# Altium PCB Spectre.PcbDoc (part 2 of 2)
Units mil, origin at the board's own origin, x right, y up, seen from the top; angles counter-clockwise.
Board outline 3998.36 x 2500 mil, 4 copper layers (Top Layer, GND, PWR, Bottom Layer), stack 64.6 mil thick; 160 components, 119 nets, 509 pads, 276 vias.
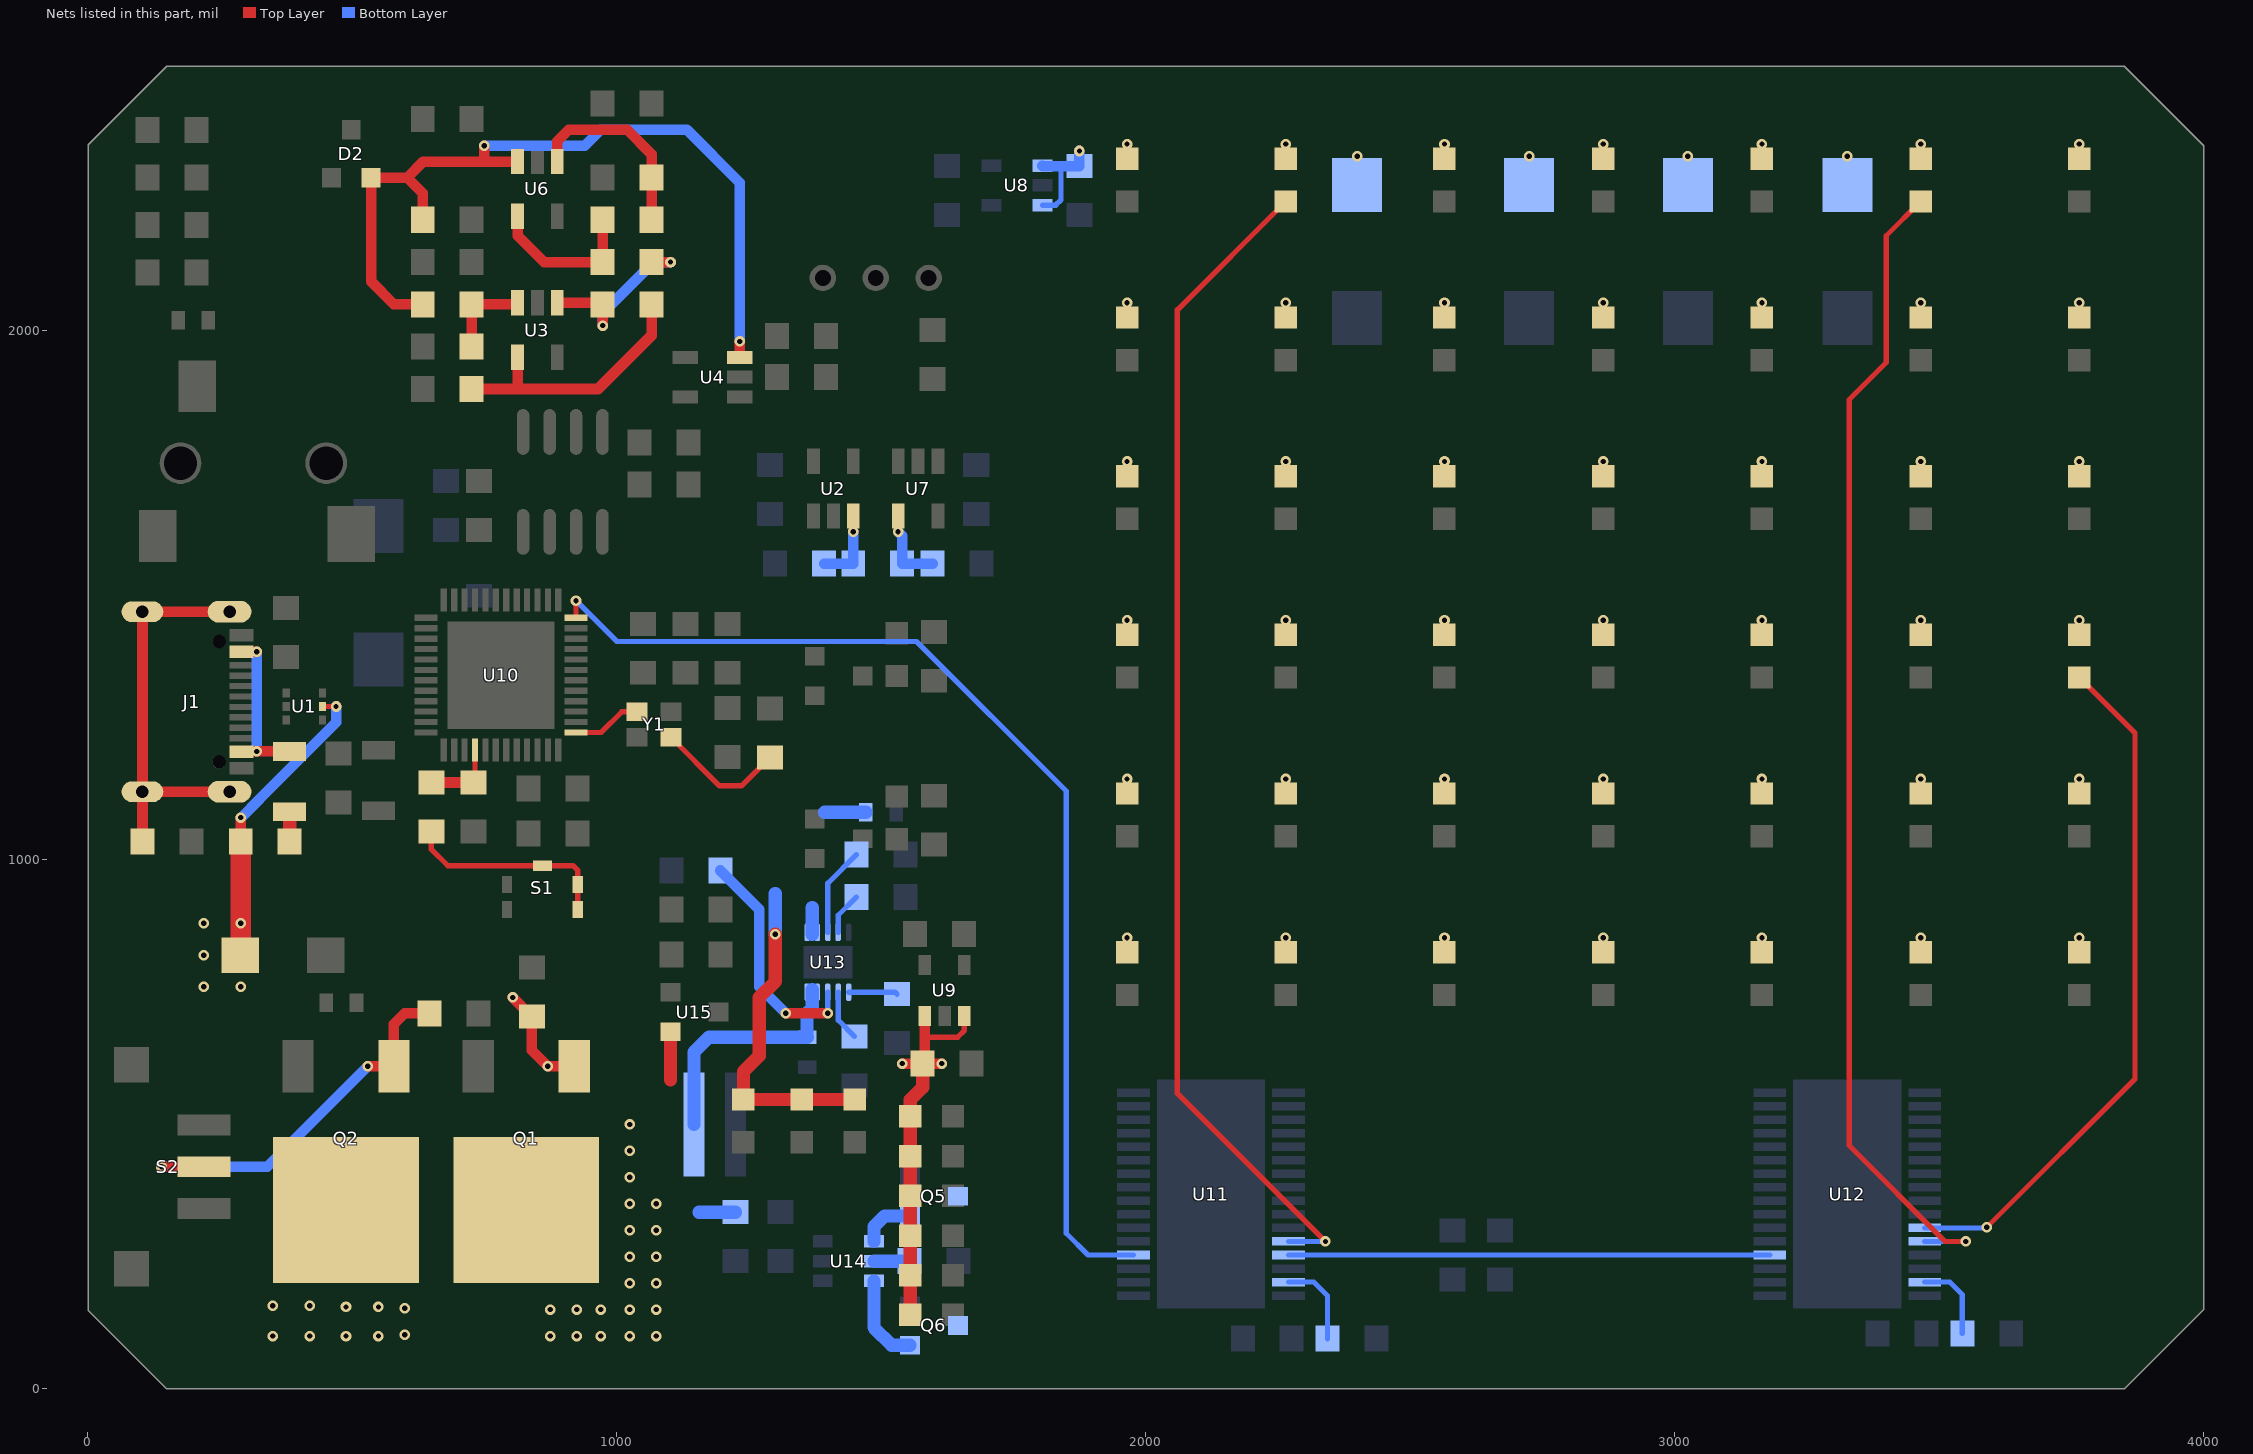
[diagram p4: the nets of this part, all layers, seen from the top]

## Via types
v1: diameter 20, hole 10, Top Layer to Bottom Layer, tented both sides, 272 vias
v2: diameter 20, hole 10, Top Layer to Bottom Layer, tented bottom, 4 vias

## Nets (pads, with @x,y where several pads share a name; then routed paths per layer and width w, separated by ;. In a path a pad name is that pad's centre, name@x,y a point inside that pad or via, vN(x,y) a via of type N, cw(c..) or ccw(c..) an arc to the next point about the centre after c; other vN are vias at no path point) (continued)
NetD54_2: D54.2 U12.27 | length 1316.1
  Top Layer w10: v1(3590,305.58) 3870,585.58 3870,1239.65 D54.2@3765,1344.65
  Bottom Layer w10: U12.27@3472.91,304.41 3588.83,304.41 v1(3590,305.58)
NetD55_2: D55.2 U11.28 | length 2236.7
  Top Layer w10: D55.2@2265,2244.65 2060,2039.65 2060,558.82 v1(2340,278.82)
  Bottom Layer w10: U11.28@2270,278.82 v1(2340,278.82)
NetD56_2: D56.2 U12.28 | length 2212.7
  Top Layer w10: D56.2@3465,2244.65 3400,2179.65 3400,1940 3330,1870 3330,460 3511.18,278.82 v1(3550,278.82)
  Bottom Layer w10: U12.28@3472.91,278.82 v1(3550,278.82)
NetF1_1: F1.1 J1.A4_B9 J1.B4_A9 | length 308.3
  Top Layer w20: J1.B4_A9@291.2,1204.51 291.69,1205 v1(320,1205) 381.91,1205 F1.1@382,1205.09 ; J1.A4_B9@291.2,1393.49 v1(320,1393.49)
  Bottom Layer w20: v1(320,1205) v1(320,1393.49)
NetF1_2: F1.2 FB1.1 | length 56
  Top Layer w25: F1.2@382,1090.91 382.26,1090.65 FB1.1@382.26,1035
NetJ1_1: J1.1 J1.2 J1.3 J1.4 R15.2 | length 765.8
  Top Layer w20: R15.2@103.74,1035 104,1035.26 J1.3@104,1128.92 J1.3@110,1128.92 ; J1.4@268.57,1128.92 J1.3@110,1128.92 ; J1.1@268.57,1469.08 J1.2@104,1469.08 104,1134.92 J1.3@110,1128.92
NetQ2_1: Q2.1 R22.1 S2.2 | length 763.5
  Top Layer w20: v1(140,420) S2.2@220.04,420 S2.2@230.04,420 ; v1(530,610) Q2.1@579.29,610 579.29,689.29 600,710 R22.1@646.89,710
  Bottom Layer w20: v1(140,420) 340,420 v1(530,610)
NetQ5_1: Q5.1 U14.1 | length 104.3
  Bottom Layer w25: U14.1@1486.46,278.95 1486.46,306.46 1507.02,327.02 Q5.1@1554.72,327.02
NetQ5_2: Q5.2 Q6.2
NetQ6_1: Q6.1 U14.3 | length 170.2
  Bottom Layer w25: U14.3@1486.46,204.14 1486.46,116.14 1520,82.6 Q6.1@1554.72,82.6
NetR2_1: R2.1 R11.2 U2.3 | length 115.1
  Top Layer w20: U2.3@1447.4,1650 U2.3@1447.48,1649.92
  Bottom Layer w20: R2.1@1392.48,1560 R11.2@1447.48,1560 1447.48,1619.91 v1(1447.4,1619.98)
NetR3_1: R3.1 R4.2 U3.4 | length 501.1
  Top Layer w20: R3.1@727.2,1890 810,1890 ; U3.4@813.23,1950 813.23,1893.23 810,1890 ; R4.2@1066.26,2050 1066.26,1991.26 965,1890 810,1890
NetR4_1: R4.1 R10.2 U3.1 | length 361
  Top Layer w20: U3.1@889.17,2056.26 886.06,2053.15 888.03,2053.15 970.59,2053.15 R4.1@973.74,2050 v1(973.74,2010) ; R10.2@1066.26,2130 v1(1101.99,2130)
  Bottom Layer w20: v1(973.74,2010) 973.74,2033.74 1070,2130 v1(1101.99,2130)
NetR5_1: R5.1 R6.2 U6.1 | length 368.3
  Top Layer w20: U6.1@888.03,2320 888.03,2358.03 910,2380 1020,2380 1066.26,2333.74 R6.2@1066.26,2290 R5.1@1066.26,2210
NetR5_2: R5.2 R10.1 U6.4 | length 298.1
  Top Layer w20: U6.4@813.23,2216.85 813.23,2180 863.23,2130 R10.1@973.74,2130 R5.2@973.74,2210
NetR7_1: R7.1 R13.1 U3.3 | length 166.3
  Top Layer w20: R13.1@726.26,1970 R7.1@726.26,2050 808.11,2050 U3.3@811.26,2053.15
NetR11_1: R11.1 R18.2 U7.4 | length 120.7
  Bottom Layer w20: v1(1532.2,1620) 1540,1612.2 R11.1@1540,1560 R18.2@1597.48,1560
NetR20_2: R20.2 S1.3 S1.4 S1.5 | length 400.9
  Top Layer w10: R20.2@650,1053.74 650,1020 680.94,989.06 S1.5@860,989.06 917.87,989.06 926.93,980 S1.4@926.93,953.62 S1.3@926.93,906.38
NetR25_1: R25.1 Y1.1 | length 247.3
  Top Layer w10: Y1.1@1102.99,1231.82 1194.81,1140 1236.26,1140 R25.1@1290,1193.74
NetR26_1: R26.1 U13.3 | length 169.5
  Bottom Layer w10: U13.3@1399.37,862.99 1399.37,955.63 R26.1@1453.74,1010
NetR27_1: R27.1 U13.4 | length 81.4
  Bottom Layer w10: U13.4@1419.06,862.99 1419.06,895.32 R27.1@1453.74,930
NetR28_1: R28.1 U13.8 | length 440.6
  Top Layer w20: v1(1320,710) v1(1399.37,710)
  Bottom Layer w10: v1(1399.37,710) U13.8@1399.37,750
  Bottom Layer w20: R28.1@1196.26,980 1270,906.26 1270,760 v1(1320,710)
NetR29_1: R29.1 U13.7 | length 96.6
  Bottom Layer w10: U13.7@1419.06,750 1419.37,749.69 1419.37,696.89 R29.1@1450,666.26
NetR30_1: R30.1 U13.6 | length 92.8
  Bottom Layer w10: U13.6@1438.74,750 1526.26,750 R30.1@1530,746.26
NetR33_2: R33.2 U11.31 | length 165.7
  Bottom Layer w10: U11.31@2270,202.05 2317.95,202.05 2343.74,176.26 R33.2@2343.74,95
NetR34_2: R34.2 U12.31 | length 154
  Bottom Layer w10: U12.31@3472.91,202.05 3520,202.05 3543.74,178.31 R34.2@3543.74,105
NetR35_1: R35.1 U14.2 | length 67.6
  Bottom Layer w25: U14.2@1486.46,241.54 1553.09,241.54 R35.1@1553.74,242.2
NetU10_1: U10.1 Y1.3 | length 131.7
  Top Layer w10: U10.1@923.46,1240.94 970.94,1240.94 1010.05,1280.05 Y1.3@1039.02,1280.05
RESET: C14.2 R20.1 U10.40 | length 142.3
  Top Layer w10: C14.2@730,1146.26 732.52,1148.78 U10.40@732.52,1207.48
  Top Layer w20: R20.1@650,1146.26 C14.2@730,1146.26
SER_D0: U10.12 U11.4 | length 2087.9
  Top Layer w10: U10.12@923.46,1457.48 v1(923.46,1490)
  Bottom Layer w10: v1(923.46,1490) 1000.68,1412.78 1567.22,1412.78 1850,1130 1850,294.42 1891.19,253.23 U11.4@1977.09,253.23
SER_D1: U11.29 U12.4 | length 910
  Bottom Layer w10: U11.29@2270,253.23 U12.4@3180,253.23
V_REF: D2.2 R7.2 R16.2 U4.3 U6.3 | length 1590.3
  Top Layer w20: R7.2@633.74,2050 579.29,2050 536.1,2093.19 D2.2@536.1,2289.45 604.13,2289.45 ; R16.2@633.74,2210 633.74,2259.84 604.13,2289.45 ; v1(750,2350) 750,2320 ; U6.3@813.23,2320 750,2320 ; U4.3@1233.15,1950 v1(1233.15,1980) ; 604.13,2289.45 634.68,2320 750,2320
  Bottom Layer w20: v1(750,2350) 940,2350 970,2380 1133.15,2380 1233.15,2280 v1(1233.15,1980)
V_UNREG: C15.2 C21.2 C25.1 C26.1 C28.1 C29.1 D6.1 D7.1 D8.1 D9.1 D10.1 D11.1 D12.1 D13.1 D14.1 D15.1 D17.1 D18.1 D19.1 D20.1 D21.1 D22.1 D24.1 D25.1 D26.1 D27.1 D29.1 D30.1 D31.1 D32.1 D33.1 D34.1 D35.1 D36.1 D37.1 D38.1 D39.1 D40.1 D41.1 D42.1 D43.1 D44.1 D45.1 D46.1 D47.1 D48.1 D49.1 D50.1 D51.1 D52.1 D53.1 D54.1 D55.1 D56.1 Q2.2 U8.1 U8.3 U9.1 U9.3 | length 960.9
  Top Layer w10: 1582.6,664.98 1644.98,664.98 1657.4,677.4 U9.3@1657.4,705
  Top Layer w20: v1(1540,615) C21.2@1578.74,615 v1(1615,615) ; C21.2@1578.74,630 C21.2@1582.6,633.86 ; C21.2@1582.6,618.86 C21.2@1582.6,633.86 ; U9.1@1582.6,705 1582.6,664.98 C21.2@1582.6,633.86
  Top Layer w25: D29.1@1555.2,140 D24.1@1555.2,215 D19.1@1555.2,290 D14.1@1555.2,365 D10.1@1555.2,440 D6.1@1555.2,515 1555.2,546.46 1578.74,570 C21.2@1578.74,615
  Bottom Layer w10: U8.3@1805,2237.6 1830,2237.6 1840,2247.6 1840,2311.26
  Bottom Layer w20: U8.1@1805,2312.4 1806.14,2311.26 1840,2311.26 C15.2@1875,2311.26 v1(1875,2340)
  other v1: 350,100 420,100 488.74,100 550,100 600,102.22 600,152.74 488.74,155 550,155 350,157.4 420,157.4 1965,852.99 2265,852.99 2565,852.99 2865,852.99 3165,852.99 3465,852.99 3765,852.99 1965,1152.99 2265,1152.99 2565,1152.99 2865,1152.99 3165,1152.99 3465,1152.99 3765,1152.99 1965,1452.99 2265,1452.99 2565,1452.99 2865,1452.99 3165,1452.99 3465,1452.99 3765,1452.99 1965,1752.99 2265,1752.99 2565,1752.99 2865,1752.99 3165,1752.99 3465,1752.99 3765,1752.99 1965,2052.99 2265,2052.99 2565,2052.99 2865,2052.99 3165,2052.99 3465,2052.99 3765,2052.99 2400,2330 2725,2330 3025,2330 3326.46,2330 1965,2352.99 2265,2352.99 2565,2352.99 2865,2352.99 3165,2352.99 3465,2352.99 3765,2352.99
VBAT: C30.2 J3.1 Q1.2 R31.2 U13.9 U13.10 U15.2 | length 615.4
  Top Layer w25: 1101.99,583.77 U15.2@1101.99,674.98
  Bottom Layer w25: J3.1@1146.26,500 1146.26,636.26 1174.8,664.8 C30.2@1360.39,664.8 ; 1155.94,334.06 R31.2@1225,334.06 ; C30.2@1360,666.26 1360,710 1370,720 1370,755
  other v1: 875,100 925,100 970,100 1025,100 1075,100 875,150 925,150 970,150 1025,150 1075,150 1025,200 1075,200 1025,250 1075,250 1025,300 1075,300 1025,350 1075,350 1025,400 1025,450 1025,500
VBUS: C32.2 D3.1 D16.1 D23.1 D28.1 FB1.2 Q1.1 R23.2 U1.5 U13.1 U13.2 | length 1536.6
  Top Layer w10: U1.5@444.45,1290 v1(470,1290)
  Top Layer w20: FB1.2@289.74,1035 289.74,1079.74 v1(290,1080) ; v1(803.74,740) R23.2@840,703.74 840,640 v1(870,610) Q1.1@920,610 Q1.1@916.57,613.43
  Top Layer w25: v1(1300,859.46) 1300,770 1270,740 1270,630 1240,600 D28.1@1240,547.05 D16.1@1350,547.05 D23.1@1450,547.05
  Top Layer w39.37: D3.1@288.58,820 289.74,821.15 v1(289.74,880) FB1.2@289.74,1035
  Bottom Layer w20: v1(290,1080) 290.76,1080 324.9,1114.15 324.9,1114.9 470,1260 v1(470,1290)
  Bottom Layer w25: v1(1300,859.46) 1300,936.26 ; 1370,858.84 1370,910 ; 1393.56,1090 C32.2@1471.46,1090
  other v1: 220,760 290,760 220.04,820 220.04,880
pads on no net: J1. J1.A8 J1.B8 J2. J2.2 S2.3 S2.P$1 S2.P$2 U10.2 U10.4 U10.11 U10.19 U10.20 U10.21 U10.22 U10.23 U10.24 U10.25 U10.26 U10.27 U10.28 U10.29 U10.30 U10.31 U10.32 U10.37 U10.38 U10.39 U10.41 U10.45 U10.46 U10.47 U12.29 U14.4

## Polygon pours and split planes (outlines as drawn)
GND on Top Layer "Top Layer-GND" (solid, remove dead copper, pour order 33): -0.33,-18.74 -0.33,2481.26 3999.56,2481.26 3999.56,-18.63 3999.67,-18.74
V_UNREG on Top Layer "Top Layer-V_UNREG" (solid, pour order 17): 650,0 0,0 0,170 148.58,170 289.74,311.16 289.74,550.79 650,550.79 650,540
VBUS on Top Layer "Top Layer-VBUS" (solid, pour order 16): 190,670 420,670 420,820 310,930 190,930
VBAT on Top Layer "VBAT_TOP" (solid, pour order 12): 670,550 670,0 1180,0 1180,600 976.93,600 926.93,550
GND on Bottom Layer "Bottom Layer-GND" (solid, remove dead copper, pour order 34): 0,0 0,2500 3999.89,2500 3999.89,0.11 4000,0
VBUS on Bottom Layer "Bottom Layer-VBUS" (solid, pour order 20): 1290,895.31 1290,920 1230,980 1230,1020 1060,1020 1060,1010 1060,684.4 1060,670 190,670 190,923.74 196.26,930 830,930 894.4,994.4 1020,1120 1420,1120 1420,895.31
VBAT on Bottom Layer "VBAT_BOT" (solid, pour order 18): 1180,60 1180,600 1050,600 970,520 970,340 830,210 830,60
NetQ5_2 on Bottom Layer "Bottom Layer-NetQ5_2" (solid, pour order 19): 1600,70 1600,147.78 1611.44,155 1680,205 1680,281.16 1645.28,315.58 1611.44,315.58 1600,327.02 1600,389.29 1601.49,389.29 1622.2,410 1750,410 1750,70
V_UNREG on PWR "PWR-V_UNREG" (solid, pour order 32): 1.64,148.36 150,0 3849.89,0 4000,150.11 4000,2350 3850,2500 150,2500 1.64,2351.64
3.3VD on PWR "PWR-3.3VD 1" (solid, pour order 30): 2050,0 2050,180 4000,180 4000,157.4 3850,7.4 3850,0
3.3VD on PWR "PWR-3.3VD" (solid, pour order 28): 0,1550 500,1550 600,1400 970,1400 1100,1550 1750,1550 1750,700 0,700
3.3VA on PWR "PWR-3.3VA" (solid, pour order 31): 15.29,2500 15.29,1550 500,1550 550,1475 600,1400 970,1400 1100,1550 1090.39,1550 1750,1550 1750,2500
GND on GND "GND_PLANE" (solid, pour order 49): 1.64,148.36 150,0 3849.89,0 4000,150.11 4000,2350 3850,2500 150,2500 1.64,2351.64

## Silkscreen, mask and mechanical layers (free items; w line width, h text height)
Top Overlay:
  lines w10: 1780,999.29 1780,749.29 1890,639.29 1930,639.29 ; 1780,1120 1780,1960 ; 1780,2090 1780,2340 1890,2450 2140,2450 ; 2265,2450 2740,2450 ; 2990,2450 3460,2450 ; 3590,2450 3840,2450 3950,2340 3950,2090 ; 3800,640 3840,640 3950,750 3950,1000 ; 3950,1120 3950,1960
  text "+5" at 1825,2250 h100
  text "+4" at 1825,1950 h100
  text "+3" at 1825,1655 h100
  text "Overdrv" at 1350,1490 h60
  text "+2" at 1825,1350 h100
  text "Bat Low" at 1362.6,1180 h60
  text "+1" at 1825,1050 h100
  text "+0" at 1825,750 h100
  text "1 kHz" at 2890,395.16 h100 r90
  text "16 kHz" at 3795,345.4 h100 r90
  text "160 Hz" at 2295,340.4 h100 r90
  text "400 Hz" at 2595,331.73 h100 r90
  text "2.5 kHz" at 3195,313.41 h100 r90
  text "62.5 Hz" at 1990,309.17 h100 r90
  text "6.25 kHz" at 3490,264.41 h100 r90
  text "+5 / +4 / +3 / +2 / +1 / +0" at 1700,102.22 h99
  text "VBUS PG" at 1265,60.16 h50 r90
  text "BAT EOC" at 1475,60.16 h50 r90
  text "BAT CHG" at 1385,50.16 h50 r90
Bottom Overlay:
  drawing of 238 lines, arcs and shapes, not listed
  text "Pb" at 538,2210.37 h80
  text "SPECTRE" at 3580,906.38 h60
  text "Spectre  / Audio Spectrum Analyzer / Designed by Kyler Kidd / 11/07/21" at 1160,30 h50
Top Solder:
  rectangle: 2490,230 2600,260
  rectangle: 3300,30 3410,60
  rectangle: 3300,70 3410,100
  rectangle: 3300,110 3410,140
  rectangle: 3300,150 3410,180
  rectangle: 3130,30 3240,60
  rectangle: 3130,70 3240,100
  rectangle: 3130,110 3240,140
  rectangle: 3130,150 3240,180
  rectangle: 3130,190 3240,220
  rectangle: 2970,30 3080,60
  rectangle: 2970,70 3080,100
  rectangle: 2970,110 3080,140
  rectangle: 2810,30 2920,60
  rectangle: 2810,70 2920,100
  rectangle: 2810,110 2920,140
  rectangle: 2810,150 2920,180
  rectangle: 2650,30 2760,60
  rectangle: 2650,70 2760,100
  rectangle: 2490,30 2600,60
  rectangle: 2490,70 2600,100
  rectangle: 2490,110 2600,140
  rectangle: 2490,150 2600,180
  rectangle: 2490,190 2600,220
  rectangle: 2330,110 2440,140
  rectangle: 2330,70 2440,100
  rectangle: 2330,30 2440,60
  region: 3670,55 3580,55 3625,135
  region: 3770,55 3680,55 3725,135
  region: 3732.5,135 3822.5,135 3777.5,55
  region: 3527.5,135 3617.5,135 3572.5,55
  text "Spectre" at 3425,150 h80
Mechanical 1:
  lines w10: 0,150 0,2350 150,2500 3852.99,2500 4000,2352.99 4000,150 3850,0 150,0 0,150
ASSY_TOP:
  drawing of 338 lines, arcs and shapes, not listed
  text "SH" at 15433.19,11758.37 h100
  text "DWG NO" at 12474.43,11742.06 h100
  text ".DocNumber" at 13130,11630.22 h120
  text "2" at -8090.28,11611.01 h200
  text "4" at 416.52,11611.01 h200
  text "8" at 17123.54,11611.01 h200
  text "1" at -12331.54,11604.72 h200
  text "3" at -3838.55,11604.72 h200
  text "5" at 4668.45,11604.72 h200
  text "6" at 8918.35,11604.72 h200
  text "1" at 15630,11590.22 h120
  text "REVISION HISTORY" at 13510,11339.11 h100
  text "REV" at 12550,11100.22 h100
  text "DESCRIPTION" at 14350,11100.22 h100
  text "DATE" at 16650,11100.22 h100
  text "APPROVED" at 17850,11100.22 h100
  text ".Hist1Rev" at 12585.63,10919.11 h100
  text ".Hist1Desc" at 13050,10900.22 h100
  text ".Hist1Date" at 16350,10900.22 h100
  text ".Hist1Appr" at 17550,10900.22 h100
  text "NOTES" at -12850,10850 h400
  text ".Hist2Rev" at 12585.63,10698.11 h100
  text ".Hist2Desc" at 13050,10679.22 h100
  text ".Hist2Date" at 16350,10679.22 h100
  text ".Hist2Appr" at 17550,10679.22 h100
  text "1. DIMENSIONING AND TOLERANCING PER ASME Y14.5M-1994" at -12850,10550 h200
  text ".Hist3Rev" at 12585.63,10478.11 h100
  text ".Hist3Desc" at 13050,10459.22 h100
  text ".Hist3Date" at 16350,10459.22 h100
  text ".Hist3Appr" at 17550,10459.22 h100
  text "2. INTERPRET PER ASME Y14.100M" at -12850,10250 h200
  text "3. ASSEMBLE PER IPC-A-610, CLASS 2" at -12850,9950 h200
  text "4. SOLDER PER J-STD-001, CLASS 2. USE LEAD-FREE SOLDER" at -12850,9650 h200
  text "5. ALL PARTS SHOWN MAY NOT BE INSTALLED. FOR SCHEMATIC, SEE SEPARATE PARTS LIST" at -12850,9350 h200
  text "A" at -13987.78,9104.51 h200
  text "A" at 19015.63,9104.51 h200
  text "6. DATA INCLUDED IN PARENTHESIS IS FOR REFERENCE ONLY" at -12850,9050 h200
  text "7. FOR COMPONENTS WITH REFERENCE DESIGNATORS, REFER TO PARTS LIST BY REFERENCE DESIGNATION" at -12850,8750 h200
  text "8. ELECTROSTATIC DISCHARGE CONTROL PROGRAM FOR PROTECTION OF ELECTRICAL AND ELECTRONIC" at -12850,8450 h200
  text "PARTS, ASSEMBLIES, AND EQUIPMENT SHALL BE PER IPC-610 OR BETTER" at -12850,8150 h200
  text "9. THE PCB MATERIAL MANUFACTURER'S RECOMMENDATIONS FOR PCB MATERIAL STORAGE, PRE-PROCESS" at -12850,7850 h200
  text "BAKEOUT, PROCESSING AND MATERIAL HANDLING SHALL BE STRICTLY FOLLOWED DURING ALL ASSEMBLY" at -12650,7550 h200
  text "PROCESSES. DEVIATION FROM THESE STANDARDS REQUIRES WRITTEN AUTHORIZATION FROM OCEAN OPTICS, INC" at -12650,7250 h200
  text "10. MARK LAST 3 DIGITS OF DRAWING NUMBER (-XXX) IN A CLEAR AND LEGIBLE MANNER USING POLYIMIDE BRADY LABEL" at -12950,6950 h200
  text "11. MARK DOCUMENT REVISION IN A CLEAR AND LEGIBLE MANNER USING POLYIMIDE BRADY LABEL" at -12950,6650 h200
  text "12. ALL PROCESSES AND PROCEDURES SHALL BE ROHS COMPLIANT" at -12950,6350 h200
  text "13. COMPLETED CIRCUIT CARD ASSEMBLIES SHALL BE PACKAGED INDIVIDUALLY" at -12950,6050 h200
  text "IN STATIC SHIELDING PACKAGING IN ACCORDANCE WITH ANSI/ESD-S-20.20" at -12650,5750 h200
  text "B" at -13989.76,3598.25 h200
  text "B" at 19013.65,3598.25 h200
  text "C" at -13966.75,-1892.84 h200
  text "C" at 19036.66,-1892.84 h200
  text "SEE SEPARATE PARTS LIST." at 8440,-6569.78 h400
  text "DFTG" at 10050,-6920.89 h100
  text ".NameDftg" at 10570,-6920.89 h100
  text ".DateDftg" at 12130,-6920.89 h100
  text "UNLESS OTHERWISE SPECIFIED," at 7890,-7090.89 h80
  text "MATERIAL:" at 5403,-7099.78 h100
  text "ENG" at 10050,-7180.89 h100
  text ".NameEng" at 10570,-7180.89 h100
  text ".DateEng" at 12130,-7180.89 h100
  text "INCHES" at 9310,-7229.78 h80
  text "DIMENSIONS ARE IN" at 7890,-7230.89 h80
  text "D" at -13976.68,-7392.81 h200
  text "D" at 19026.73,-7392.81 h200
  text "MECH" at 10050,-7400.89 h100
  text "*" at 10570,-7420.89 h100
  text "*" at 12130,-7420.89 h100
  text "TITLE:" at 13664.58,-7500.89 h100
  text "TOLERANCES:" at 7890,-7540.89 h100
  text "SEE NOTES" at 5475,-7619.78 h100
  text "MFG" at 10050,-7660.89 h100
  text "*" at 10570,-7660.89 h100
  text "*" at 12130,-7680.89 h100
  text ".X +/- 0.1" at 7930,-7720.89 h100
  text ".XX +/- 0.01" at 7930,-7840.89 h100
  text ".TitleCCA" at 13925,-7854.78 h220
  text ".XXX +/- 0.001" at 7930,-7960.89 h100
  text ".Title0" at 15474,-8235 h220
  text "THIRD ANGLE PROJECTION" at 5460,-8415.78 h100
  text "ALL SHEETS ARE THE" at 8070,-8577.11 h100
  text ".Title1" at 13800,-8600 h220
  text "SAME REVISION STATUS" at 7977.5,-8757.11 h100
  text "SIZE" at 13670,-8880.89 h100
  text "DRAWING NUMBER" at 14050,-8880.89 h100
  text "REV" at 18265.43,-8941.95 h120
  text "D" at 13671.66,-9189.59 h200
  text ".DocNumber" at 14050,-9199.78 h260
  text ".Rev" at 18250,-9199.78 h200
  text "1" at 17650,-9399.78 h100
  text "2" at 18250,-9399.78 h100
  text "1:1" at 14200,-9409.78 h100
  text "SCALE" at 13647.81,-9416.65 h100
  text "SHEET   OF" at 17029.98,-9425.11 h100
  text "8" at 17340,-9839.78 h200
  text "1" at -12325,-9849.78 h200
  text "2" at -8090.28,-9888.9 h200
  text "4" at 416.52,-9888.9 h200
  text "3" at -3838.55,-9895.19 h200
  text "5" at 4668.45,-9895.19 h200
  text "6" at 8918.35,-9895.19 h200
  text "7" at 13169.27,-9895.19 h200
Drill Drawing:
  lines w15: -11268.42,-7149.78 -11268.42,-6849.78 ; -10570.6,-7149.78 -10570.6,-6849.78 ; -9225,-7149.78 -9225,-6849.78 ; -8719.12,-7149.78 -8719.12,-6849.78 ; -11819.29,-7149.78 -7940.32,-7149.78 -7940.32,-6849.78 -11819.29,-6849.78 -11819.29,-7149.78 ; -11819.29,-6999.78 -7940.32,-6999.78 -11819.29,-6999.78
  text "Symbol" at -11729.29,-6954.78 h72
  text "Hit Count" at -11223.42,-6954.78 h72
  text "Finished Hole Size" at -10525.6,-6954.78 h72
  text "Plated" at -9180,-6954.78 h72
  text "Hole Type" at -8674.12,-6954.78 h72
ASSY_BOT:
  lines w7.8: -13244.57,11080.22 -6956.58,11080.22 ; -13244.57,11280.22 -6956.58,11280.22 ; -11941.58,11085.22 -11941.36,11500.13 ; -10656.58,11065.22 -10656.58,11500.22 ; -7456.58,10855.22 -7456.58,11500.22 ; -14250,-9992 -14250,12000.22 ; -14250,-9992 19743.42,-9992 ; -14250,-9992 19743.42,-9992 ; -14250,-9992 -14250,12000.22 ; -14250,12000.22 19743.42,12000.22 ; -14250,12000.22 19743.42,12000.22 ; 19743.42,-9992 19743.42,12000.22 ; 19743.42,-9992 19743.42,12000.22
  lines w23.6: -14007.16,-4249.9 -13257.16,-4249.9 ; -14007.16,6500.06 -13257.16,6500.06 ; -13257.18,11500.02 -13257.18,-9499.87 ; -13257.16,-8749.88 -8137.18,-8749.88 ; -12666.18,-9249.88 -12666.18,-8749.88 ; -11507.18,-9499.87 -11507.18,-9249.88 ; -10007.18,-9874.87 -10007.18,-9499.87 ; -8137.19,-9494.78 -8137.19,-8764.87 ; -6961.36,10830.22 -6961.36,11500.13 ; -5757.19,-9874.87 -5757.19,-9499.87 ; -5757.19,11500.02 -5757.19,11875.02 ; -1507.2,-9874.87 -1507.2,-9499.87 ; -1507.2,11500.02 -1507.2,11875.02 ; 6992.79,-9874.87 6992.79,-9499.87 ; 6992.79,11500.02 6992.79,11875.02 ; 11242.78,-9874.87 11242.78,-9499.87 ; 15492.77,-9874.87 15492.77,-9499.87 ; 15492.77,11500.02 15492.77,11875.02 ; 18742.76,6500.06 19492.76,6500.06 ; 18742.76,11500.13 -13257.68,11500.13 ; 18767.76,-4249.9 19517.76,-4249.9 ; -13257.68,11500.13 -13257.68,10693.95 -13257.68,11500.13 ; -13257.18,-9499.87 18742.76,-9499.87 ; -13257.18,-9499.87 18742.76,-9499.87 ; -13257.18,-9499.87 18742.76,-9499.87 ; -13257.18,-9499.87 18742.76,-9499.87 ; -13257.16,-9249.88 -8137.18,-9249.88 ; -13257.16,-9249.88 -8137.18,-9249.88 ; -13257.16,-9249.88 -8137.18,-9249.88 ; -13257.16,-9249.88 -8137.18,-9249.88 ; -10407.17,11500.02 -10407.17,11880.03 ; -10407.17,11500.02 -10407.17,11880.03 ; -10407.17,11500.02 -10407.17,11880.03 ; -10407.17,11500.02 -10407.17,11880.03 ; -10407.17,11500.02 -10407.17,11880.03 ; -10407.17,11500.02 -10407.17,11880.03 ; -10407.17,11500.02 -10407.17,11880.03 ; -10407.17,11500.02 -10407.17,11880.03 ; -10407.17,11880.03 -6960.57,11880.03 ; -10407.17,11880.03 -7157.18,11880.03 -10407.17,11880.03 ; -10407.17,11880.03 -6960.57,11880.03 ; -9907.17,11500.02 -9907.17,11880.03 ; -9907.17,11500.02 -9907.17,11880.03 ; -9907.17,11500.02 -9907.17,11880.03 ; -9907.17,11500.02 -9907.17,11880.03 ; -6960.57,11880.03 -6960.57,11500.02 -6960.57,11880.03 ; 11242.78,11500.02 11242.78,11875.02 ; 11242.78,11500.02 11242.78,11875.02 ; 11242.78,11500.02 11242.78,11875.02 ; 11242.78,11500.02 11242.78,11875.02 ; 18742.76,-9499.87 18742.76,11192.06 18742.76,-9499.87 ; 18742.76,-9499.87 18742.76,11500.02 ; 18742.76,-9499.87 18742.76,11500.02 ; 18742.76,-9499.87 18742.76,11500.02 ; -13657.17,970.08 -13657.17,1030.08 -13457.17,1030.08 -13457.17,1100.08 -13257.18,1000.08 -13457.17,900.08 -13457.17,970.08 -13657.17,970.08 ; 2642.8,-9699.87 2742.79,-9499.87 2842.8,-9699.87 2772.81,-9699.87 2772.81,-9899.87 2712.8,-9899.87 2712.8,-9699.87 2642.8,-9699.87 ; 2642.8,11700.02 2742.79,11500.02 2842.8,11700.02 2772.79,11700.02 2772.79,11900.02 2712.8,11900.02 2712.8,11700.02 2642.8,11700.02 ; 18742.76,1000.08 18942.76,900.08 18942.76,970.08 19142.76,970.09 19142.76,1030.08 18942.76,1030.08 18942.76,1100.08 18742.76,1000.08
  text "SH" at -9939.77,11758.37 h100
  text "DWG NO" at -6981.01,11742.06 h100
  text ".DocNumber" at -7636.58,11630.22 h120
  text "8" at -11630.11,11611.01 h200
  text "4" at 5076.9,11611.01 h200
  text "2" at 13583.71,11611.01 h200
  text "6" at -3424.92,11604.72 h200
  text "5" at 824.97,11604.72 h200
  text "3" at 9331.98,11604.72 h200
  text "3" at 9331.98,11604.72 h200
  text "1" at 17824.96,11604.72 h200
  text "1" at -10136.58,11590.22 h120
  text "REVISION HISTORY" at -8016.58,11339.11 h100
  text "APPROVED" at -12356.58,11100.22 h100
  text "DATE" at -11156.58,11100.22 h100
  text "DESCRIPTION" at -8856.58,11100.22 h100
  text "REV" at -7056.58,11100.22 h100
  text "SEE SHEET 1" at -7556.58,10900.22 h100
  text "A" at -13522.21,9104.51 h200
  text "A" at 19481.2,9104.51 h200
  text "B" at -13520.22,3598.25 h200
  text "B" at 19483.18,3598.25 h200
  text "C" at -13543.23,-1892.84 h200
  text "C" at 19460.17,-1892.84 h200
  text "D" at -13533.31,-7392.81 h200
  text "D" at 19470.1,-7392.81 h200
  text "REV" at -12772,-8941.95 h120
  text ".DocNumber" at -8381.58,-9149.78 h200
  text ".Rev" at -12756.58,-9199.78 h200
  text "2" at -12756.58,-9399.78 h100
  text "SHEET 2 OF" at -11536.55,-9425.11 h100
  text "8" at -11846.58,-9839.78 h200
  text "1" at 17825,-9849.78 h200
  text "4" at 5076.9,-9888.9 h200
  text "2" at 13583.71,-9888.9 h200
  text "7" at -7675.85,-9895.19 h200
  text "6" at -3424.92,-9895.19 h200
  text "5" at 824.97,-9895.19 h200
  text "3" at 9331.98,-9895.19 h200
PCB_SHEET1:
  drawing of 1100 lines, arcs and shapes, not listed
  text "SH" at 15433.19,11758.15 h100
  text "DWG NO" at 12474.43,11741.84 h100
  text "DWG NO" at 12474.43,11742.06 h100
  text ".DocNumberPCB" at 13130,11630 h120
  text "2" at -8090.28,11610.79 h200
  text "4" at 416.52,11610.79 h200
  text "8" at 17123.54,11610.79 h200
  text "1" at -12331.54,11604.5 h200
  text "3" at -3838.55,11604.5 h200
  text "5" at 4668.45,11604.5 h200
  text "6" at 8918.35,11604.5 h200
  text "1" at 15630,11590 h120
  text "REVISION HISTORY" at 13510,11338.89 h100
  text "REV" at 12550,11100 h100
  text "DESCRIPTION" at 14350,11100 h100
  text "DATE" at 16650,11100 h100
  text "APPROVED" at 17850,11100 h100
  text "11" at 850,10950 h200
  text "5" at 1230,10950 h200
  text ".Hist1Rev" at 12585.63,10918.89 h100
  text "LAYER STACKUP:" at 1630,10900 h400
  text ".Hist1Desc" at 13050,10900 h100
  text ".Hist1Date" at 16350,10900 h100
  text ".Hist1Appr" at 17550,10900 h100
  text "NOTES" at -12850,10850 h400
  text ".Hist2Rev" at 12585.63,10699.89 h100
  text ".Hist2Desc" at 13050,10681 h100
  text ".Hist2Date" at 16350,10681 h100
  text ".Hist2Appr" at 17550,10681 h100
  text "1. UNLESS OTHERWISE SPECIFIED, DIMENSIONS, TOLERANCES, AND SURFACE TEXTURE APPLY" at -12850,10550 h200
  text "Layer" at 851.2,10530 h60
  text "Name" at 1261.11,10530 h60
  text "Material" at 2190.85,10530 h60
  text "Thickness" at 3050.62,10530 h60
  text "Constant" at 3700.46,10530 h60
  text "Board Layer Stack" at 4270.32,10530 h60
  text "Board Layer Stack" at 5390,10530 h60
  text "Board Layer Stack" at 6509.68,10530 h60
  text ".Hist3Rev" at 12585.63,10478.89 h100
  text ".Hist3Desc" at 13050,10460 h100
  text ".Hist3Date" at 16350,10460 h100
  text ".Hist3Appr" at 17550,10460 h100
  text "1" at 851.2,10410 h60
  text "Top Overlay" at 1261.11,10410 h60
  text "2" at 851.2,10290 h60
  text "Top Solder" at 1261.11,10290 h60
  text "Solder Resist" at 2190.85,10290 h60
  text "0.10mil" at 3050.62,10290 h60
  text "0" at 3700.46,10290 h60
  text "AFTER PLATING OR CHEMICAL FILM TREATMENTS, AND PRIOR TO ORGANIC COATINGS." at -12650,10250 h200
  text "3" at 851.2,10170 h60
  text "Top Layer" at 1261.11,10170 h60
  text "Copper" at 2190.85,10170 h60
  text "1.40mil" at 3050.62,10170 h60
  text "4" at 851.2,10050 h60
  text "Prepeg" at 1261.11,10050 h60
  text "FR408" at 2190.85,10050 h60
  text "6.70mil" at 3050.62,10050 h60
  text "3.66" at 3700.46,10050 h60
  text "2. DIMENSIONING AND TOLERANCING PER ASME Y14.5M-1994" at -12850,9950 h200
  text "5" at 851.2,9930 h60
  text "GND" at 1261.11,9930 h60
  text "Copper" at 2190.85,9930 h60
  text "0.70mil" at 3050.62,9930 h60
  text "6" at 851.2,9810 h60
  text "Core" at 1261.11,9810 h60
  text "FR-4" at 2190.85,9810 h60
  text "47.00mil" at 3050.62,9810 h60
  text "3.66" at 3700.46,9810 h60
  text "7" at 851.2,9690 h60
  text "PWR" at 1261.11,9690 h60
  text "Copper" at 2190.85,9690 h60
  text "0.70mil" at 3050.62,9690 h60
  text "3. PARTS SHALL BE FREE OF BURRS AND SHARP EDGES. BREAK SHARP EDGES .005\" MAX" at -12850,9650 h200
  text "8" at 851.2,9570 h60
  text "Prepeg" at 1261.11,9570 h60
  text "FR408" at 2190.85,9570 h60
  text "6.70mil" at 3050.62,9570 h60
  text "3.66" at 3700.46,9570 h60
  text "9" at 851.2,9450 h60
  text "Bottom Layer" at 1261.11,9450 h60
  text "Copper" at 2190.85,9450 h60
  text "1.40mil" at 3050.62,9450 h60
  text "4. UNLESS OTHERWISE SPECIFIED, BOARD SHALL MEET THE REQUIREMENTS OF IPC-6011" at -12850,9350 h200
  text "10" at 851.2,9330 h60
  text "Bottom Solder" at 1261.11,9330 h60
  text "Solder Resist" at 2190.85,9330 h60
  text "0.10mil" at 3050.62,9330 h60
  text "0" at 3700.46,9330 h60
  text "11" at 851.2,9210 h60
  text "Bottom Overlay" at 1261.11,9210 h60
  text "A" at -13987.78,9104.29 h200
  text "A" at 19015.63,9104.29 h200
  text "CLASS 2, AND IPC-6012, TYPE 2." at -12650,9050 h200
  text "5. MATERIAL: POLYCLAD 370HR OR EQUIVALENT IAW IPC-4101. THIS BOARD IS INTENDED FOR LEAD-FREE" at -12850,8750 h200
  text "ASSEMBLY (RoHS COMPLIANT). FLAMMABILITY RATING OF 94V-0 OR BETTER REQUIRED. BOARD MUST BE UL" at -12650,8450 h200
  text "RECOGNIZED AND VENDOR SHALL AFFIX UL LISTING DESIGNATION ON PRINTED CIRCUIT BOARD." at -12650,8150 h200
  text "A. BASE LAMINATE: WOVEN GLASS BASED EPOXY RESIN." at -12650,7850 h200
  text "SEE STACK DETAIL FOR COPPER WEIGHT, SUBSTRATES, AND FINISHED BOARD THICKNESS" at -12400,7550 h200
  text "B. BONDING AGENT: PREIMPREGNATED B-STAGE EPOXY CLOTH (GF)" at -12650,7250 h200
  text "C. FINISH TO BE DONE USING IMMERSION GOLD (ENIG) 3-6 MICROINCHES OVER NICKEL 100 MICROINCHES MIN." at -12650,6950 h200
  text "FULL BODY IMMERSION GOLD ACCEPTED." at -12400,6650 h200
  text "OVERALL HEIGHT = 0.xxx +/- 10%" at 535,6420.22 h200
  text "D. SILKSCREEN TO BE DONE USING NON-CONDUCTIVE WHITE EPOXY INK. VENDOR MAY VIA CAP OR PLUG VIAS" at -12650,6350 h200
  text "TOP AND BOTTOM LAYER COPPER THICKNESS SPECIFIED AFTER PLATING" at 535,6145 h200
  text "BEFORE FINAL SOLDERMASK TO AVOID TRIMMING OF SILKSCREEN. SILKSCREEN INK NOT ALLOWED ON ANY" at -12400,6050 h200
  text "EXPOSED ETCH. VENDOR TO DETERMINE BEST PROCESS TO ENSURE THIS." at -12400,5750 h200
  text "E. SOLDERMASK OVER BARE COPPER FOLLOWED BY PLATING PER LAYER STACKUP." at -12650,5450 h200
  text "SOLDERMASK IS TO BE FREE OF SHADED AREAS, AND IS TO BE BLACK, TYPE B1, CLASS 2, IAW IPC-SM-840." at -12400,5150 h200
  text "6. FINAL TRACES WIDTHS AND LAND SIZES REPRESENTED BY ARTWORK. THE FINAL" at -12850,4850 h200
  text "CONDUCTOR WIDTH SHALL BE +/- 0.001\" OF THE ORIGINAL ARTWORK TRACE. THE PCB" at -12650,4550 h200
  text "MANUFACTURER IS DIRECTED TO INFLATE FEATURES IN THE SUPPLIED GERBER FILES, AS" at -12650,4250 h200
  text "NECESSARY, TO COMPENSATE FOR THE ETCHBACK IN THE PCB MANUFACTURER'S PROCESS." at -12650,3950 h200
  text "7. MANUFACTURER TO INSERT COMPANY LOGO AND DATE CODE IN BOTTOM SILKSCREEN," at -12875,3650 h200
  text "B" at -13989.76,3598.02 h200
  text "B" at 19013.65,3598.02 h200
  text "USING PREFERRED METHOD (NON-CONDUCTIVE)." at -12650,3350 h200
  text "8. UNLESS OTHERWISE SPECIFIED:" at -12875,3050 h200
  text "A. ALL HOLES TO BE CONCENTRIC WITH PAD CENTER WITHIN +/- 0.005\"." at -12650,2750 h200
  text "B. ALL HOLE DIAMETERS TO BE WITHIN +/- 0.003\" OF SPECIFIED DIAMETER." at -12650,2450 h200
  text "C. PLATED THROUGH HOLE DIAMETERS SPECIFIED AFTER PLATING." at -12650,2150 h200
  text "9. FABRICATE AND TEST BOARD, TYPE 2, CLASS 1, LEVEL A, PER IPC-D-275. VENDOR MUST USE IPC D 356 NETLIST" at -12850,1850 h200
  text "PROVIDED PRIOR TO BOARD FABRICATION AND REPORT ANY DISCREPANCIES WHEN COMPARED WITH THE GERBERS." at -12650,1550 h200
  text "10. INFORMATION IN PARENTHESIS IS FOR REFERENCE ONLY." at -12850,1250 h200
  text "11. VENDOR IS ALLOWED TO DO THE FOLLOWING:" at -12850,950 h200
  text "A. FOLLOW BOARD OUTLINE FOR SIZE OF BOARD." at -12650,650 h200
  text "B. REMOVE INTERNAL NON FUNCTIONAL PADS." at -12650,350 h200
  text "C. ADD TEAR DROPPING" at -12650,50 h200
  text "D. REMOVE SOLDERMASK SLIVERS LESS THAN 0.003 TO ENHANCE PRODUCABILITY." at -12650,-250 h200
  text "E. FILL VIAS IN PAD WITH EPOXY IF NECESSARY (VIPPO)." at -12650,-550 h200
  text "F. MODIFY DIELECTRIC THICKNESS BETWEEN LAYERS, WHILE MAINTAINING TOTAL BOARD THICKNESS." at -12650,-850 h200
  text "12. VENDOR IS ALLOWED TO MODIFY TRACE WIDTH/GAP TO MAINTAIN CONTROLLED IMPEDANCES:" at -12850,-1150 h200
  text "A. xxx" at -12650,-1450 h200
  text "B. xx" at -12650,-1750 h200
  text "C" at -13966.75,-1893.06 h200
  text "C" at 19036.66,-1893.06 h200
  text "DFTG" at 10050,-6921.11 h100
  text ".NameDftg" at 10570,-6921.11 h100
  text ".DateDftg" at 12130,-6921.11 h100
  text "UNLESS OTHERWISE SPECIFIED," at 7890,-7091.11 h80
  text "MATERIAL:" at 5403,-7100 h100
  text "ENG" at 10050,-7181.11 h100
  text ".NameEng" at 10570,-7181.11 h100
  text ".DateEng" at 12130,-7181.11 h100
  text "INCHES" at 9310,-7230 h80
  text "DIMENSIONS ARE IN" at 7890,-7231.11 h80
  text "D" at -13976.68,-7393.04 h200
  text "D" at 19026.73,-7393.04 h200
  text "MECH" at 10050,-7401.11 h100
  text "*" at 10570,-7421.11 h100
  text "*" at 12130,-7421.11 h100
  text "TITLE:" at 13664.58,-7501.12 h100
  text "TOLERANCES:" at 7890,-7541.11 h100
  text "SEE NOTES" at 5475,-7620 h100
  text "MFG" at 10050,-7661.11 h100
  text "*" at 10570,-7661.11 h100
  text "*" at 12130,-7681.11 h100
  text ".X +/- 0.1" at 7930,-7720.89 h100
  text ".XX +/- 0.01" at 7930,-7840.89 h100
  text ".TitlePCB" at 13920,-7850 h220
  text ".XXX +/- 0.005" at 7930,-7960.89 h100
  text ".Title0" at 15474.41,-8236.22 h220
  text "THIRD ANGLE PROJECTION" at 5460,-8416 h100
  text "ALL SHEETS ARE THE" at 8070,-8577.33 h100
  text ".Title1" at 13800,-8600 h220
  text "SAME REVISION STATUS" at 7977.5,-8757.33 h100
  text "SIZE" at 13670,-8881.11 h100
  text "DRAWING NUMBER" at 14050,-8881.11 h100
  text "REV" at 18265.43,-8942.17 h120
  text "D" at 13671.66,-9189.81 h200
  text ".DocNumberPCB" at 14050,-9200 h260
  text ".Rev" at 18250,-9200 h200
  text "1" at 17650,-9400 h100
  text "1" at 18250,-9400 h100
  text "1:1" at 14200,-9410 h100
  text "SCALE" at 13647.81,-9416.87 h100
  text "SHEET   OF" at 17029.98,-9425.34 h100
  text "8" at 17340,-9840 h200
  text "1" at -12325,-9850 h200
  text "2" at -8090.28,-9889.12 h200
  text "4" at 416.52,-9889.12 h200
  text "3" at -3838.55,-9895.41 h200
  text "5" at 4668.45,-9895.41 h200
  text "6" at 8918.35,-9895.41 h200
  text "7" at 13169.27,-9895.41 h200
PCB_SHEET2:
  lines w7.8: -13244.57,11080.22 -6956.58,11080.22 ; -13244.57,11280.22 -6956.58,11280.22 ; -11941.58,11085.22 -11941.36,11500.13 ; -10656.58,11065.22 -10656.58,11500.22 ; -7456.58,10855.22 -7456.58,11500.22 ; -14250,-9992 -14250,12000.22 ; -14250,-9992 19743.42,-9992 ; -14250,-9992 19743.42,-9992 ; -14250,-9992 -14250,12000.22 ; -14250,12000.22 19743.42,12000.22 ; -14250,12000.22 19743.42,12000.22 ; 19743.42,-9992 19743.42,12000.22 ; 19743.42,-9992 19743.42,12000.22
  lines w23.6: -14007.16,-4249.9 -13257.16,-4249.9 ; -14007.16,6500.06 -13257.16,6500.06 ; -13257.18,11500.02 -13257.18,-9499.87 ; -13257.16,-8749.88 -8137.18,-8749.88 ; -12666.18,-9249.88 -12666.18,-8749.88 ; -11507.18,-9499.87 -11507.18,-9249.88 ; -10007.18,-9874.87 -10007.18,-9499.87 ; -8137.19,-9494.78 -8137.19,-8764.87 ; -6961.36,10830.22 -6961.36,11500.13 ; -5757.19,-9874.87 -5757.19,-9499.87 ; -5757.19,11500.02 -5757.19,11875.02 ; -1507.2,-9874.87 -1507.2,-9499.87 ; -1507.2,11500.02 -1507.2,11875.02 ; 6992.79,-9874.87 6992.79,-9499.87 ; 6992.79,11500.02 6992.79,11875.02 ; 11242.78,-9874.87 11242.78,-9499.87 ; 15492.77,-9874.87 15492.77,-9499.87 ; 15492.77,11500.02 15492.77,11875.02 ; 18742.76,6500.06 19492.76,6500.06 ; 18742.76,11500.13 -13257.68,11500.13 ; 18767.76,-4249.9 19517.76,-4249.9 ; -13257.68,11500.13 -13257.68,10693.95 -13257.68,11500.13 ; -13257.18,-9499.87 18742.76,-9499.87 ; -13257.18,-9499.87 18742.76,-9499.87 ; -13257.18,-9499.87 18742.76,-9499.87 ; -13257.18,-9499.87 18742.76,-9499.87 ; -13257.16,-9249.88 -8137.18,-9249.88 ; -13257.16,-9249.88 -8137.18,-9249.88 ; -13257.16,-9249.88 -8137.18,-9249.88 ; -13257.16,-9249.88 -8137.18,-9249.88 ; -10407.17,11500.02 -10407.17,11880.03 ; -10407.17,11500.02 -10407.17,11880.03 ; -10407.17,11500.02 -10407.17,11880.03 ; -10407.17,11500.02 -10407.17,11880.03 ; -10407.17,11500.02 -10407.17,11880.03 ; -10407.17,11500.02 -10407.17,11880.03 ; -10407.17,11500.02 -10407.17,11880.03 ; -10407.17,11500.02 -10407.17,11880.03 ; -10407.17,11880.03 -6960.57,11880.03 ; -10407.17,11880.03 -7157.18,11880.03 -10407.17,11880.03 ; -10407.17,11880.03 -6960.57,11880.03 ; -9907.17,11500.02 -9907.17,11880.03 ; -9907.17,11500.02 -9907.17,11880.03 ; -9907.17,11500.02 -9907.17,11880.03 ; -9907.17,11500.02 -9907.17,11880.03 ; -6960.57,11880.03 -6960.57,11500.02 -6960.57,11880.03 ; 11242.78,11500.02 11242.78,11875.02 ; 11242.78,11500.02 11242.78,11875.02 ; 11242.78,11500.02 11242.78,11875.02 ; 11242.78,11500.02 11242.78,11875.02 ; 18742.76,-9499.87 18742.76,11192.06 18742.76,-9499.87 ; 18742.76,-9499.87 18742.76,11500.02 ; 18742.76,-9499.87 18742.76,11500.02 ; 18742.76,-9499.87 18742.76,11500.02 ; -13657.17,970.08 -13657.17,1030.08 -13457.17,1030.08 -13457.17,1100.08 -13257.18,1000.08 -13457.17,900.08 -13457.17,970.08 -13657.17,970.08 ; 2642.8,-9699.87 2742.79,-9499.87 2842.8,-9699.87 2772.81,-9699.87 2772.81,-9899.87 2712.8,-9899.87 2712.8,-9699.87 2642.8,-9699.87 ; 2642.8,11700.02 2742.79,11500.02 2842.8,11700.02 2772.79,11700.02 2772.79,11900.02 2712.8,11900.02 2712.8,11700.02 2642.8,11700.02 ; 18742.76,1000.08 18942.76,900.08 18942.76,970.08 19142.76,970.09 19142.76,1030.08 18942.76,1030.08 18942.76,1100.08 18742.76,1000.08
  text "SH" at -9939.77,11758.37 h100
  text "DWG NO" at -6981.01,11742.06 h100
  text ".DocNumberPCB" at -7636.58,11630.22 h120
  text "8" at -11630.11,11611.01 h200
  text "4" at 5076.9,11611.01 h200
  text "2" at 13583.71,11611.01 h200
  text "6" at -3424.92,11604.72 h200
  text "5" at 824.97,11604.72 h200
  text "3" at 9331.98,11604.72 h200
  text "3" at 9331.98,11604.72 h200
  text "1" at 17824.96,11604.72 h200
  text "1" at -10136.58,11590.22 h120
  text "REVISION HISTORY" at -8016.58,11339.11 h100
  text "APPROVED" at -12356.58,11100.22 h100
  text "DATE" at -11156.58,11100.22 h100
  text "DESCRIPTION" at -8856.58,11100.22 h100
  text "REV" at -7056.58,11100.22 h100
  text "SEE SHEET 1" at -7556.58,10900.22 h100
  text "A" at -13522.21,9104.51 h200
  text "A" at 19481.2,9104.51 h200
  text "B" at -13520.22,3598.25 h200
  text "B" at 19483.18,3598.25 h200
  text "C" at -13543.23,-1892.84 h200
  text "C" at 19460.17,-1892.84 h200
  text "Scale  6:1" at 13018.61,-5316.55 h500
  text "D" at -13533.31,-7392.81 h200
  text "D" at 19470.1,-7392.81 h200
  text "REV" at -12772,-8941.95 h120
  text ".DocNumberPCB" at -8381.58,-9149.78 h200
  text ".Rev" at -12756.58,-9199.78 h200
  text "2" at -12756.58,-9399.78 h100
  text "SHEET 2 OF" at -11536.55,-9425.11 h100
  text "8" at -11846.58,-9839.78 h200
  text "1" at 17825,-9849.78 h200
  text "4" at 5076.9,-9888.9 h200
  text "2" at 13583.71,-9888.9 h200
  text "7" at -7675.85,-9895.19 h200
  text "6" at -3424.92,-9895.19 h200
  text "5" at 824.97,-9895.19 h200
  text "3" at 9331.98,-9895.19 h200
BOARD OUTLINE:
  lines w10: 4000,2350 4000,2352.99 ; 4000,2350 4000,2352.99 ; 4000,2350 4000,150 3850,0 150,0 0,150 0,2350 150,2500 3852.99,2500 4000,2352.99

## Dimensions
7800,3000.22 to 7075,6800 on ASSY_TOP
7975,3125.22 to 7150,6400.22 on ASSY_TOP

## Text inside footprints (layer, text, board x,y; h text height)
J1: Mechanical 13 "PCB EDGE" at 5.57,1086.4 h16 r270
Y1: Top Overlay "o" at 1162.64,1184.93 h15 r180